# EAGLE board working (EAGLE 6.6.0) (continued)
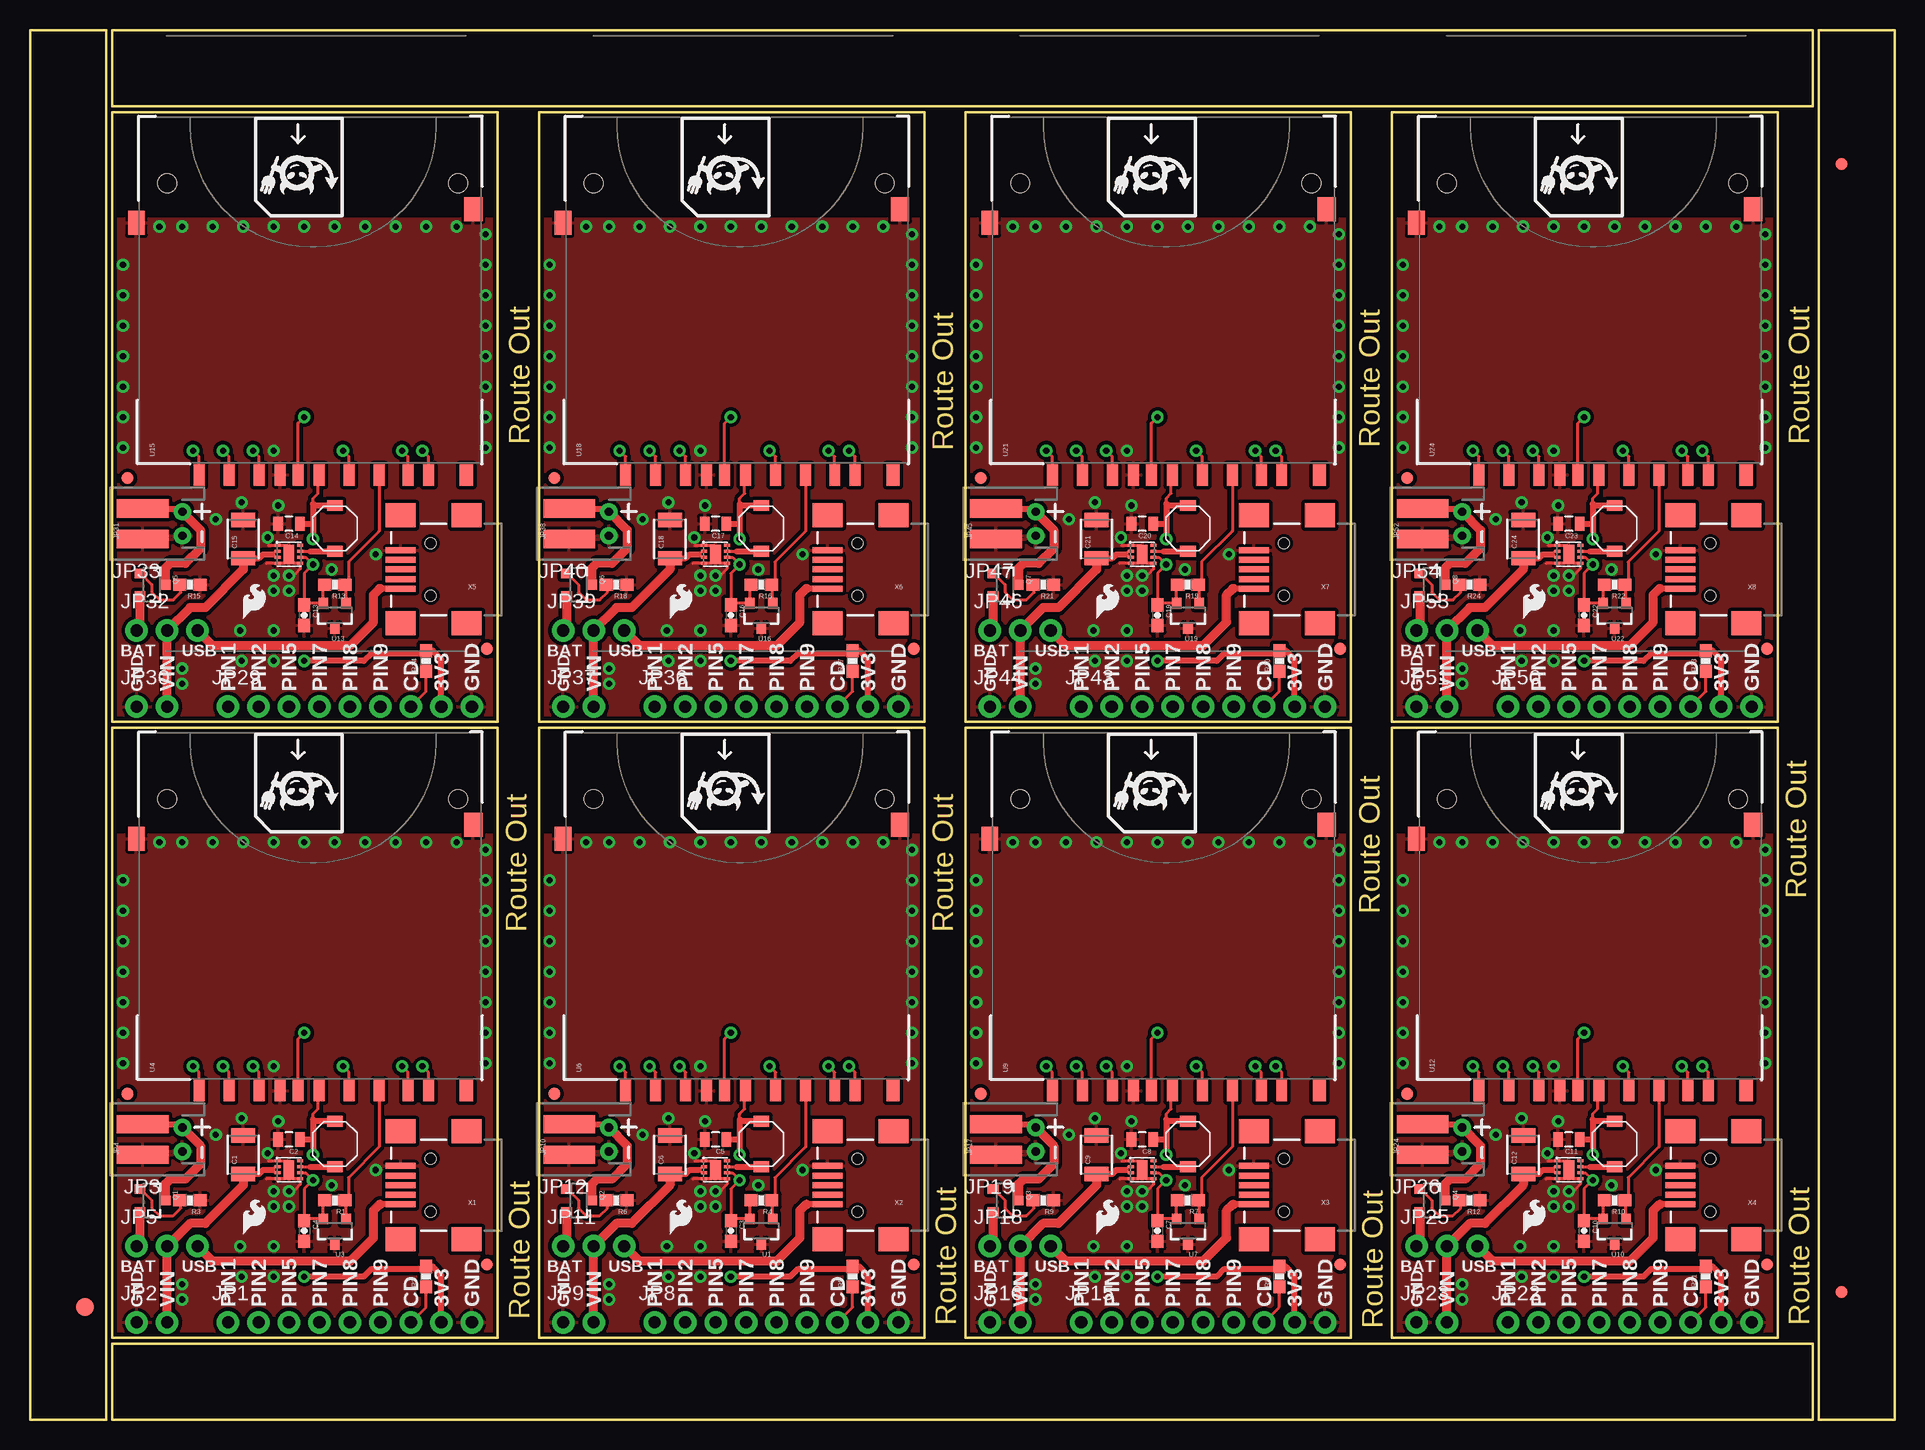
[diagram p0: board, top side]
## Tracks (layer width: path | path; a pad name or v marks a point on that pad's centre or on a via)
3.3V  (via drill 0.51)
  Top 0.254: U2.6 22.98,20.58 v23.59,19.97 22.86,19.24 C4.1 23.01,16.75 U3.2 24.45,18.19 R1.2 | 23.59,25.02 23.59,25.5 24,25.91 24,27.35 U4.4
  Top 0.508: 23.59,23.37 23.59,25.02 23.72,24.89 L1.P$2 | 23.59,23.37 v23.59,22.1 | v22.86,11.94 27.81,11.94 28.46,12.59 32.82,12.59 R2.2 33.57,12.79 34.29,12.06 JP1.8 | C2.1 23.59,23.37
  Bottom 0.508: v22.86,11.94 22.86,19.24 v23.59,19.97 v23.59,22.1
3.3V1  (via drill 0.51)
  Top 0.254: U5.6 58.54,20.58 v59.15,19.97 58.42,19.24 C3.1 58.57,16.75 U1.2 60.01,18.19 R4.2 | 59.15,25.02 59.15,25.5 59.56,25.91 59.56,27.35 U6.4
  Top 0.508: 59.15,23.37 59.15,25.02 59.28,24.89 L2.P$2 | 59.15,23.37 v59.15,22.1 | v58.42,11.94 63.37,11.94 64.02,12.59 68.38,12.59 R5.2 69.13,12.79 69.85,12.06 JP8.8 | C5.1 59.15,23.37
  Bottom 0.508: v58.42,11.94 58.42,19.24 v59.15,19.97 v59.15,22.1
3.3V2  (via drill 0.51)
  Top 0.254: U8.6 94.1,20.58 v94.71,19.97 93.98,19.24 C7.1 94.13,16.75 U7.2 95.57,18.19 R7.2 | 94.71,25.02 94.71,25.5 95.12,25.91 95.12,27.35 U9.4
  Top 0.508: 94.71,23.37 94.71,25.02 94.84,24.89 L3.P$2 | 94.71,23.37 v94.71,22.1 | v93.98,11.94 98.93,11.94 99.58,12.59 103.94,12.59 R8.2 104.69,12.79 105.41,12.06 JP15.8 | C8.1 94.71,23.37
  Bottom 0.508: v93.98,11.94 93.98,19.24 v94.71,19.97 v94.71,22.1
3.3V3  (via drill 0.51)
  Top 0.254: U11.6 129.66,20.58 v130.27,19.97 129.54,19.24 C10.1 129.69,16.75 U10.2 131.13,18.19 R10.2 | 130.27,25.02 130.27,25.5 130.68,25.91 130.68,27.35 U12.4
  Top 0.508: 130.27,23.37 130.27,25.02 130.4,24.89 L4.P$2 | 130.27,23.37 v130.27,22.1 | v129.54,11.94 134.49,11.94 135.14,12.59 139.5,12.59 R11.2 140.25,12.79 140.97,12.06 JP22.8 | C11.1 130.27,23.37
  Bottom 0.508: v129.54,11.94 129.54,19.24 v130.27,19.97 v130.27,22.1
3.3V4  (via drill 0.51)
  Top 0.254: U14.6 22.98,71.89 v23.59,71.28 22.86,70.55 C13.1 23.01,68.06 U13.2 24.45,69.5 R13.2 | 23.59,76.33 23.59,76.8 24,77.22 24,78.66 U15.4
  Top 0.508: 23.59,74.68 23.59,76.33 23.72,76.19 L5.P$2 | 23.59,74.68 v23.59,73.41 | v22.86,63.25 27.81,63.25 28.46,63.9 32.82,63.9 R14.2 33.57,64.1 34.29,63.37 JP29.8 | C14.1 23.59,74.68
  Bottom 0.508: v22.86,63.25 22.86,70.55 v23.59,71.28 v23.59,73.41
3.3V5  (via drill 0.51)
  Top 0.254: U17.6 58.54,71.89 v59.15,71.28 58.42,70.55 C16.1 58.57,68.06 U16.2 60.01,69.5 R16.2 | 59.15,76.33 59.15,76.8 59.56,77.22 59.56,78.66 U18.4
  Top 0.508: 59.15,74.68 59.15,76.33 59.28,76.19 L6.P$2 | 59.15,74.68 v59.15,73.41 | v58.42,63.25 63.37,63.25 64.02,63.9 68.38,63.9 R17.2 69.13,64.1 69.85,63.37 JP36.8 | C17.1 59.15,74.68
  Bottom 0.508: v58.42,63.25 58.42,70.55 v59.15,71.28 v59.15,73.41
3.3V6  (via drill 0.51)
  Top 0.254: U20.6 94.1,71.89 v94.71,71.28 93.98,70.55 C19.1 94.13,68.06 U19.2 95.57,69.5 R19.2 | 94.71,76.33 94.71,76.8 95.12,77.22 95.12,78.66 U21.4
  Top 0.508: 94.71,74.68 94.71,76.33 94.84,76.19 L7.P$2 | 94.71,74.68 v94.71,73.41 | v93.98,63.25 98.93,63.25 99.58,63.9 103.94,63.9 R20.2 104.69,64.1 105.41,63.37 JP43.8 | C20.1 94.71,74.68
  Bottom 0.508: v93.98,63.25 93.98,70.55 v94.71,71.28 v94.71,73.41
3.3V7  (via drill 0.51)
  Top 0.254: U23.6 129.66,71.89 v130.27,71.28 129.54,70.55 C22.1 129.69,68.06 U22.2 131.13,69.5 R22.2 | 130.27,76.33 130.27,76.8 130.68,77.22 130.68,78.66 U24.4
  Top 0.508: 130.27,74.68 130.27,76.33 130.4,76.19 L8.P$2 | 130.27,74.68 v130.27,73.41 | v129.54,63.25 134.49,63.25 135.14,63.9 139.5,63.9 R23.2 140.25,64.1 140.97,63.37 JP50.8 | C23.1 130.27,74.68
  Bottom 0.508: v129.54,63.25 129.54,70.55 v130.27,71.28 v130.27,73.41
CD  (via drill 0.51)
  Top 0.254: JP1.7 33.02,9.4 R2.1 | U4.CD 22.35,31.75 v22.86,32.26
  Bottom 0.254: v22.86,32.26 33.02,32.26 35.56,29.72 35.56,11.94 JP1.7
CD1  (via drill 0.51)
  Top 0.254: JP8.7 68.58,9.4 R5.1 | U6.CD 57.91,31.75 v58.42,32.26
  Bottom 0.254: v58.42,32.26 68.58,32.26 71.12,29.72 71.12,11.94 JP8.7
CD2  (via drill 0.51)
  Top 0.254: JP15.7 104.14,9.4 R8.1 | U9.CD 93.47,31.75 v93.98,32.26
  Bottom 0.254: v93.98,32.26 104.14,32.26 106.68,29.72 106.68,11.94 JP15.7
CD3  (via drill 0.51)
  Top 0.254: JP22.7 139.7,9.4 R11.1 | U12.CD 129.03,31.75 v129.54,32.26
  Bottom 0.254: v129.54,32.26 139.7,32.26 142.24,29.72 142.24,11.94 JP22.7
CD4  (via drill 0.51)
  Top 0.254: JP29.7 33.02,60.71 R14.1 | U15.CD 22.35,83.05 v22.86,83.57
  Bottom 0.254: v22.86,83.57 33.02,83.57 35.56,81.03 35.56,63.25 JP29.7
CD5  (via drill 0.51)
  Top 0.254: JP36.7 68.58,60.71 R17.1 | U18.CD 57.91,83.05 v58.42,83.57
  Bottom 0.254: v58.42,83.57 68.58,83.57 71.12,81.03 71.12,63.25 JP36.7
CD6  (via drill 0.51)
  Top 0.254: JP43.7 104.14,60.71 R20.1 | U21.CD 93.47,83.05 v93.98,83.57
  Bottom 0.254: v93.98,83.57 104.14,83.57 106.68,81.03 106.68,63.25 JP43.7
CD7  (via drill 0.51)
  Top 0.254: JP50.7 139.7,60.71 R23.1 | U24.CD 129.03,83.05 v129.54,83.57
  Bottom 0.254: v129.54,83.57 139.7,83.57 142.24,81.03 142.24,63.25 JP50.7
GND  (via drill 0.51)
  Top 0.254: 19.87,21.58 U2.1 | 20.69,21.58 U2.1 | U2.5 22.54,19.62 22.1,19.18 | 19.7,20.08 U2.4 U2.5 | U2.1 21.45,21.58
  other vias: 37.97,47.5 37.97,44.96 37.97,42.42 37.97,39.88 37.97,37.34 37.97,34.8 37.97,32.26 37.97,29.72 7.75,29.72 7.75,32.26 7.75,34.8 7.75,37.34 7.75,39.88 7.75,42.42 7.75,44.96 10.79,48.13 12.7,48.13 15.24,48.13 17.78,48.13 20.32,48.13 22.86,48.13 25.4,48.13 27.94,48.13 30.48,48.13 33.02,48.13 35.56,48.13 21.59,19.05 20.32,19.05 20.7,24.89 17.65,25.15 15.49,23.75 12.7,10.03 20.32,29.46 28.83,20.83 20.32,14.48 20.32,11.94 17.65,11.94 17.53,14.48 19.81,22.23 12.7,11.3 21.59,17.78 25.15,19.56 20.32,17.78
  pour Top (isolate 0.305, rank 6): 6.86,6.86 6.86,48.77 38.99,48.77 38.99,6.86
  pour Bottom (isolate 0.305, rank 6): 6.86,6.86 6.86,48.77 38.99,48.77 38.99,6.86
GND1  (via drill 0.51)
  Top 0.254: 55.43,21.58 U5.1 | 56.25,21.58 U5.1 | U5.5 58.1,19.62 57.66,19.18 | 55.26,20.08 U5.4 U5.5 | U5.1 57.01,21.58
  other vias: 73.53,47.5 73.53,44.96 73.53,42.42 73.53,39.88 73.53,37.34 73.53,34.8 73.53,32.26 73.53,29.72 43.31,29.72 43.31,32.26 43.31,34.8 43.31,37.34 43.31,39.88 43.31,42.42 43.31,44.96 46.35,48.13 48.26,48.13 50.8,48.13 53.34,48.13 55.88,48.13 58.42,48.13 60.96,48.13 63.5,48.13 66.04,48.13 68.58,48.13 71.12,48.13 57.15,19.05 55.88,19.05 56.26,24.89 53.21,25.15 51.05,23.75 48.26,10.03 55.88,29.46 64.39,20.83 55.88,14.48 55.88,11.94 53.21,11.94 53.09,14.48 55.37,22.23 48.26,11.3 57.15,17.78 60.71,19.56 55.88,17.78
  pour Top (isolate 0.305, rank 6): 42.42,6.86 42.42,48.77 74.55,48.77 74.55,6.86
  pour Bottom (isolate 0.305, rank 6): 42.42,6.86 42.42,48.77 74.55,48.77 74.55,6.86
GND2  (via drill 0.51)
  Top 0.254: 90.99,21.58 U8.1 | 91.81,21.58 U8.1 | U8.5 93.66,19.62 93.22,19.18 | 90.82,20.08 U8.4 U8.5 | U8.1 92.57,21.58
  other vias: 109.09,47.5 109.09,44.96 109.09,42.42 109.09,39.88 109.09,37.34 109.09,34.8 109.09,32.26 109.09,29.72 78.87,29.72 78.87,32.26 78.87,34.8 78.87,37.34 78.87,39.88 78.87,42.42 78.87,44.96 81.92,48.13 83.82,48.13 86.36,48.13 88.9,48.13 91.44,48.13 93.98,48.13 96.52,48.13 99.06,48.13 101.6,48.13 104.14,48.13 106.68,48.13 92.71,19.05 91.44,19.05 91.82,24.89 88.77,25.15 86.61,23.75 83.82,10.03 91.44,29.46 99.95,20.83 91.44,14.48 91.44,11.94 88.77,11.94 88.65,14.48 90.93,22.23 83.82,11.3 92.71,17.78 96.27,19.56 91.44,17.78
  pour Top (isolate 0.305, rank 6): 77.98,6.86 77.98,48.77 110.11,48.77 110.11,6.86
  pour Bottom (isolate 0.305, rank 6): 77.98,6.86 77.98,48.77 110.11,48.77 110.11,6.86
GND3  (via drill 0.51)
  Top 0.254: 126.55,21.58 U11.1 | 127.37,21.58 U11.1 | U11.5 129.22,19.62 128.78,19.18 | 126.38,20.08 U11.4 U11.5 | U11.1 128.13,21.58
  other vias: 144.65,47.5 144.65,44.96 144.65,42.42 144.65,39.88 144.65,37.34 144.65,34.8 144.65,32.26 144.65,29.72 114.43,29.72 114.43,32.26 114.43,34.8 114.43,37.34 114.43,39.88 114.43,42.42 114.43,44.96 117.47,48.13 119.38,48.13 121.92,48.13 124.46,48.13 127,48.13 129.54,48.13 132.08,48.13 134.62,48.13 137.16,48.13 139.7,48.13 142.24,48.13 128.27,19.05 127,19.05 127.38,24.89 124.33,25.15 122.17,23.75 119.38,10.03 127,29.46 135.51,20.83 127,14.48 127,11.94 124.33,11.94 124.21,14.48 126.49,22.23 119.38,11.3 128.27,17.78 131.83,19.56 127,17.78
  pour Top (isolate 0.305, rank 6): 113.54,6.86 113.54,48.77 145.67,48.77 145.67,6.86
  pour Bottom (isolate 0.305, rank 6): 113.54,6.86 113.54,48.77 145.67,48.77 145.67,6.86
GND4  (via drill 0.51)
  Top 0.254: 19.87,72.89 U14.1 | 20.69,72.89 U14.1 | U14.5 22.54,70.93 22.1,70.48 | 19.7,71.39 U14.4 U14.5 | U14.1 21.45,72.89
  other vias: 37.97,98.81 37.97,96.27 37.97,93.73 37.97,91.19 37.97,88.65 37.97,86.11 37.97,83.57 37.97,81.03 7.75,81.03 7.75,83.57 7.75,86.11 7.75,88.65 7.75,91.19 7.75,93.73 7.75,96.27 10.79,99.44 12.7,99.44 15.24,99.44 17.78,99.44 20.32,99.44 22.86,99.44 25.4,99.44 27.94,99.44 30.48,99.44 33.02,99.44 35.56,99.44 21.59,70.36 20.32,70.36 20.7,76.2 17.65,76.45 15.49,75.06 12.7,61.34 20.32,80.77 28.83,72.14 20.32,65.79 20.32,63.25 17.65,63.25 17.53,65.79 19.81,73.53 12.7,62.61 21.59,69.09 25.15,70.87 20.32,69.09
  pour Top (isolate 0.305, rank 6): 6.86,58.17 6.86,100.08 38.99,100.08 38.99,58.17
  pour Bottom (isolate 0.305, rank 6): 6.86,58.17 6.86,100.08 38.99,100.08 38.99,58.17
GND5  (via drill 0.51)
  Top 0.254: 55.43,72.89 U17.1 | 56.25,72.89 U17.1 | U17.5 58.1,70.93 57.66,70.48 | 55.26,71.39 U17.4 U17.5 | U17.1 57.01,72.89
  other vias: 73.53,98.81 73.53,96.27 73.53,93.73 73.53,91.19 73.53,88.65 73.53,86.11 73.53,83.57 73.53,81.03 43.31,81.03 43.31,83.57 43.31,86.11 43.31,88.65 43.31,91.19 43.31,93.73 43.31,96.27 46.35,99.44 48.26,99.44 50.8,99.44 53.34,99.44 55.88,99.44 58.42,99.44 60.96,99.44 63.5,99.44 66.04,99.44 68.58,99.44 71.12,99.44 57.15,70.36 55.88,70.36 56.26,76.2 53.21,76.45 51.05,75.06 48.26,61.34 55.88,80.77 64.39,72.14 55.88,65.79 55.88,63.25 53.21,63.25 53.09,65.79 55.37,73.53 48.26,62.61 57.15,69.09 60.71,70.87 55.88,69.09
  pour Top (isolate 0.305, rank 6): 42.42,58.17 42.42,100.08 74.55,100.08 74.55,58.17
  pour Bottom (isolate 0.305, rank 6): 42.42,58.17 42.42,100.08 74.55,100.08 74.55,58.17
GND6  (via drill 0.51)
  Top 0.254: 90.99,72.89 U20.1 | 91.81,72.89 U20.1 | U20.5 93.66,70.93 93.22,70.48 | 90.82,71.39 U20.4 U20.5 | U20.1 92.57,72.89
  other vias: 109.09,98.81 109.09,96.27 109.09,93.73 109.09,91.19 109.09,88.65 109.09,86.11 109.09,83.57 109.09,81.03 78.87,81.03 78.87,83.57 78.87,86.11 78.87,88.65 78.87,91.19 78.87,93.73 78.87,96.27 81.92,99.44 83.82,99.44 86.36,99.44 88.9,99.44 91.44,99.44 93.98,99.44 96.52,99.44 99.06,99.44 101.6,99.44 104.14,99.44 106.68,99.44 92.71,70.36 91.44,70.36 91.82,76.2 88.77,76.45 86.61,75.06 83.82,61.34 91.44,80.77 99.95,72.14 91.44,65.79 91.44,63.25 88.77,63.25 88.65,65.79 90.93,73.53 83.82,62.61 92.71,69.09 96.27,70.87 91.44,69.09
  pour Top (isolate 0.305, rank 6): 77.98,58.17 77.98,100.08 110.11,100.08 110.11,58.17
  pour Bottom (isolate 0.305, rank 6): 77.98,58.17 77.98,100.08 110.11,100.08 110.11,58.17
GND7  (via drill 0.51)
  Top 0.254: 126.55,72.89 U23.1 | 127.37,72.89 U23.1 | U23.5 129.22,70.93 128.78,70.48 | 126.38,71.39 U23.4 U23.5 | U23.1 128.13,72.89
  other vias: 144.65,98.81 144.65,96.27 144.65,93.73 144.65,91.19 144.65,88.65 144.65,86.11 144.65,83.57 144.65,81.03 114.43,81.03 114.43,83.57 114.43,86.11 114.43,88.65 114.43,91.19 114.43,93.73 114.43,96.27 117.47,99.44 119.38,99.44 121.92,99.44 124.46,99.44 127,99.44 129.54,99.44 132.08,99.44 134.62,99.44 137.16,99.44 139.7,99.44 142.24,99.44 128.27,70.36 127,70.36 127.38,76.2 124.33,76.45 122.17,75.06 119.38,61.34 127,80.77 135.51,72.14 127,65.79 127,63.25 124.33,63.25 124.21,65.79 126.49,73.53 119.38,62.61 128.27,69.09 131.83,70.87 127,69.09
  pour Top (isolate 0.305, rank 6): 113.54,58.17 113.54,100.08 145.67,100.08 145.67,58.17
  pour Bottom (isolate 0.305, rank 6): 113.54,58.17 113.54,100.08 145.67,100.08 145.67,58.17
ID
  Top 0.254: U3.1 26.35,18.19 R1.1 26.54,18.58 26.54,20.19 29.1,22.75 U4.6
ID1
  Top 0.254: U1.1 61.91,18.19 R4.1 62.1,18.58 62.1,20.19 64.66,22.75 U6.6
ID2
  Top 0.254: U7.1 97.47,18.19 R7.1 97.66,18.58 97.66,20.19 100.22,22.75 U9.6
ID3
  Top 0.254: U10.1 133.03,18.19 R10.1 133.22,18.58 133.22,20.19 135.78,22.75 U12.6
ID4
  Top 0.254: U13.1 26.35,69.5 R13.1 26.54,69.89 26.54,71.5 29.1,74.06 U15.6
ID5
  Top 0.254: U16.1 61.91,69.5 R16.1 62.1,69.89 62.1,71.5 64.66,74.06 U18.6
ID6
  Top 0.254: U19.1 97.47,69.5 R19.1 97.66,69.89 97.66,71.5 100.22,74.06 U21.6
ID7
  Top 0.254: U22.1 133.03,69.5 R22.1 133.22,69.89 133.22,71.5 135.78,74.06 U24.6
N$1
  Top 0.254: U2.7 23.36,21.08
  Top 0.508: 23.36,21.08 25.39,21.08 L1.P$1
N$2
  Top 0.254: Q1.1 9.21,19.24 10.16,18.29 10.16,17.65 10.79,17.02 11.94,17.02 12.57,17.65 12.57,18.2 R3.2
N$3
  Top 0.254: U5.7 58.92,21.08
  Top 0.508: 58.92,21.08 60.95,21.08 L2.P$1
N$4
  Top 0.762: Q2.2 44.72,14.75 JP11.1
N$5
  Top 0.254: Q2.1 44.77,19.24 45.72,18.29 45.72,17.65 46.35,17.02 47.5,17.02 48.13,17.65 48.13,18.2 R6.2
N$6
  Top 0.762: Q1.2 9.16,14.75 JP5.1
N$7
  Top 0.254: U8.7 94.48,21.08
  Top 0.508: 94.48,21.08 96.51,21.08 L3.P$1
N$8
  Top 0.762: Q3.2 80.28,14.75 JP18.1
N$9
  Top 0.254: Q3.1 80.33,19.24 81.28,18.29 81.28,17.65 81.92,17.02 83.06,17.02 83.69,17.65 83.69,18.2 R9.2
N$10
  Top 0.254: U11.7 130.04,21.08
  Top 0.508: 130.04,21.08 132.07,21.08 L4.P$1
N$11
  Top 0.762: Q4.2 115.84,14.75 JP25.1
N$12
  Top 0.254: Q4.1 115.89,19.24 116.84,18.29 116.84,17.65 117.47,17.02 118.62,17.02 119.25,17.65 119.25,18.2 R12.2
N$13
  Top 0.254: U14.7 23.36,72.39
  Top 0.508: 23.36,72.39 L5.P$1
N$14
  Top 0.762: Q5.2 9.16,66.06 JP32.1
N$15
  Top 0.254: Q5.1 9.21,70.55 10.16,69.6 10.16,68.96 10.79,68.33 11.94,68.33 12.57,68.96 12.57,69.51 R15.2
N$16
  Top 0.254: U17.7 58.92,72.39
  Top 0.508: 58.92,72.39 L6.P$1
N$17
  Top 0.762: Q6.2 44.72,66.06 JP39.1
N$18
  Top 0.254: Q6.1 44.77,70.55 45.72,69.6 45.72,68.96 46.35,68.33 47.5,68.33 48.13,68.96 48.13,69.51 R18.2
N$19
  Top 0.254: U20.7 94.48,72.39
  Top 0.508: 94.48,72.39 L7.P$1
N$20
  Top 0.762: Q7.2 80.28,66.06 JP46.1
N$21
  Top 0.254: Q7.1 80.33,70.55 81.28,69.6 81.28,68.96 81.92,68.33 83.06,68.33 83.69,68.96 83.69,69.51 R21.2
N$22
  Top 0.254: U23.7 130.04,72.39
  Top 0.508: 130.04,72.39 L8.P$1
N$23
  Top 0.762: Q8.2 115.84,66.06 JP53.1
N$24
  Top 0.254: Q8.1 115.89,70.55 116.84,69.6 116.84,68.96 117.47,68.33 118.62,68.33 119.25,68.96 119.25,69.51 R24.2
PIN1  (via drill 0.51)
  Top 0.254: U4.1 16.6,28.96 v16.09,29.46
  Bottom 0.254: v16.09,29.46 16.51,29.04 JP1.1
PIN2  (via drill 0.51)
  Top 0.254: U4.2 19.1,28.96 v18.59,29.46
  Bottom 0.254: v18.59,29.46 18.59,8.59 JP1.2
PIN3  (via drill 0.51)
  Top 0.254: U6.1 52.16,28.96 v51.65,29.46
  Bottom 0.254: v51.65,29.46 52.07,29.04 JP8.1
PIN4  (via drill 0.51)
  Top 0.254: U6.2 54.66,28.96 v54.15,29.46
  Bottom 0.254: v54.15,29.46 54.15,8.59 JP8.2
PIN5  (via drill 0.51)
  Top 0.254: U4.5 26.6,28.96 v26.09,29.46
  Bottom 0.254: v26.09,29.46 27.94,27.61 27.94,14.48 JP1.3
PIN6  (via drill 0.51)
  Top 0.254: U6.5 62.16,28.96 v61.65,29.46
  Bottom 0.254: v61.65,29.46 63.5,27.61 63.5,14.48 JP8.3
PIN7  (via drill 0.51)
  Top 0.254: U4.7 31.52,28.96 v31.01,29.46
  Bottom 0.254: v31.01,29.46 29.97,28.43 29.97,13.97 JP1.4
PIN8  (via drill 0.51)
  Top 0.254: U4.8 33.22,28.96 v32.71,29.46
  Bottom 0.254: 32.71,29.41 v32.71,29.46 32.71,23.18 32.26,22.73 32.26,13.72 JP1.5
PIN9  (via drill 0.51)
  Top 0.254: U4.9 14.1,28.96 v13.59,29.46
  Bottom 0.254: v13.59,29.46 15.11,30.99 33.02,30.99 34.29,29.72 34.29,13.21 JP1.6
PIN10  (via drill 0.51)
  Top 0.254: U6.7 67.08,28.96 v66.57,29.46
  Bottom 0.254: v66.57,29.46 65.53,28.43 65.53,13.97 JP8.4
PIN11  (via drill 0.51)
  Top 0.254: U6.8 68.78,28.96 v68.27,29.46
  Bottom 0.254: 68.27,29.41 v68.27,29.46 68.27,23.18 67.82,22.73 67.82,13.72 JP8.5
PIN12  (via drill 0.51)
  Top 0.254: U6.9 49.66,28.96 v49.15,29.46
  Bottom 0.254: v49.15,29.46 50.67,30.99 68.58,30.99 69.85,29.72 69.85,13.21 JP8.6
PIN13  (via drill 0.51)
  Top 0.254: U9.1 87.72,28.96 v87.21,29.46
  Bottom 0.254: v87.21,29.46 87.63,29.04 JP15.1
PIN14  (via drill 0.51)
  Top 0.254: U9.2 90.22,28.96 v89.71,29.46
  Bottom 0.254: v89.71,29.46 89.71,8.59 JP15.2
PIN15  (via drill 0.51)
  Top 0.254: U9.5 97.72,28.96 v97.21,29.46
  Bottom 0.254: v97.21,29.46 99.06,27.61 99.06,14.48 JP15.3
PIN16  (via drill 0.51)
  Top 0.254: U9.7 102.64,28.96 v102.13,29.46
  Bottom 0.254: v102.13,29.46 101.09,28.43 101.09,13.97 JP15.4
PIN17  (via drill 0.51)
  Top 0.254: U9.8 104.34,28.96 v103.83,29.46
  Bottom 0.254: 103.83,29.41 v103.83,29.46 103.83,23.18 103.38,22.73 103.38,13.72 JP15.5
PIN18  (via drill 0.51)
  Top 0.254: U9.9 85.22,28.96 v84.71,29.46
  Bottom 0.254: v84.71,29.46 86.23,30.99 104.14,30.99 105.41,29.72 105.41,13.21 JP15.6
PIN19  (via drill 0.51)
  Top 0.254: U12.1 123.28,28.96 v122.77,29.46
  Bottom 0.254: v122.77,29.46 123.19,29.04 JP22.1
PIN20  (via drill 0.51)
  Top 0.254: U12.2 125.78,28.96 v125.27,29.46
  Bottom 0.254: v125.27,29.46 125.27,8.59 JP22.2
PIN21  (via drill 0.51)
  Top 0.254: U12.5 133.28,28.96 v132.77,29.46
  Bottom 0.254: v132.77,29.46 134.62,27.61 134.62,14.48 JP22.3
PIN22  (via drill 0.51)
  Top 0.254: U12.7 138.2,28.96 v137.69,29.46
  Bottom 0.254: v137.69,29.46 136.65,28.43 136.65,13.97 JP22.4
PIN23  (via drill 0.51)
  Top 0.254: U12.8 139.9,28.96 v139.39,29.46
  Bottom 0.254: 139.39,29.41 v139.39,29.46 139.39,23.18 138.94,22.73 138.94,13.72 JP22.5
PIN24  (via drill 0.51)
  Top 0.254: U12.9 120.78,28.96 v120.27,29.46
  Bottom 0.254: v120.27,29.46 121.79,30.99 139.7,30.99 140.97,29.72 140.97,13.21 JP22.6
PIN25  (via drill 0.51)
  Top 0.254: U15.1 16.6,80.26 v16.09,80.77
  Bottom 0.254: v16.09,80.77 16.51,80.35 JP29.1
PIN26  (via drill 0.51)
  Top 0.254: U15.2 19.1,80.26 v18.59,80.77
  Bottom 0.254: v18.59,80.77 18.59,59.9 JP29.2
PIN27  (via drill 0.51)
  Top 0.254: U15.5 26.6,80.26 v26.09,80.77
  Bottom 0.254: v26.09,80.77 27.94,78.92 27.94,65.79 JP29.3
PIN28  (via drill 0.51)
  Top 0.254: U15.7 31.52,80.26 v31.01,80.77
  Bottom 0.254: v31.01,80.77 29.97,79.73 29.97,65.28 JP29.4
PIN29  (via drill 0.51)
  Top 0.254: U15.8 33.22,80.26 v32.71,80.77
  Bottom 0.254: 32.71,80.72 v32.71,80.77 32.71,74.49 32.26,74.04 32.26,65.02 JP29.5
PIN30  (via drill 0.51)
  Top 0.254: U15.9 14.1,80.26 v13.59,80.77
  Bottom 0.254: v13.59,80.77 15.11,82.3 33.02,82.3 34.29,81.03 34.29,64.52 JP29.6
PIN31  (via drill 0.51)
  Top 0.254: U18.1 52.16,80.26 v51.65,80.77
  Bottom 0.254: v51.65,80.77 52.07,80.35 JP36.1
PIN32  (via drill 0.51)
  Top 0.254: U18.2 54.66,80.26 v54.15,80.77
  Bottom 0.254: v54.15,80.77 54.15,59.9 JP36.2
PIN33  (via drill 0.51)
  Top 0.254: U18.5 62.16,80.26 v61.65,80.77
  Bottom 0.254: v61.65,80.77 63.5,78.92 63.5,65.79 JP36.3
PIN34  (via drill 0.51)
  Top 0.254: U18.7 67.08,80.26 v66.57,80.77
  Bottom 0.254: v66.57,80.77 65.53,79.73 65.53,65.28 JP36.4
PIN35  (via drill 0.51)
  Top 0.254: U18.8 68.78,80.26 v68.27,80.77
  Bottom 0.254: 68.27,80.72 v68.27,80.77 68.27,74.49 67.82,74.04 67.82,65.02 JP36.5
PIN36  (via drill 0.51)
  Top 0.254: U18.9 49.66,80.26 v49.15,80.77
  Bottom 0.254: v49.15,80.77 50.67,82.3 68.58,82.3 69.85,81.03 69.85,64.52 JP36.6
PIN37  (via drill 0.51)
  Top 0.254: U21.1 87.72,80.26 v87.21,80.77
  Bottom 0.254: v87.21,80.77 87.63,80.35 JP43.1
PIN38  (via drill 0.51)
  Top 0.254: U21.2 90.22,80.26 v89.71,80.77
  Bottom 0.254: v89.71,80.77 89.71,59.9 JP43.2
PIN39  (via drill 0.51)
  Top 0.254: U21.5 97.72,80.26 v97.21,80.77
  Bottom 0.254: v97.21,80.77 99.06,78.92 99.06,65.79 JP43.3
PIN40  (via drill 0.51)
  Top 0.254: U21.7 102.64,80.26 v102.13,80.77
  Bottom 0.254: v102.13,80.77 101.09,79.73 101.09,65.28 JP43.4
PIN41  (via drill 0.51)
  Top 0.254: U21.8 104.34,80.26 v103.83,80.77
  Bottom 0.254: 103.83,80.72 v103.83,80.77 103.83,74.49 103.38,74.04 103.38,65.02 JP43.5
PIN42  (via drill 0.51)
  Top 0.254: U21.9 85.22,80.26 v84.71,80.77
  Bottom 0.254: v84.71,80.77 86.23,82.3 104.14,82.3 105.41,81.03 105.41,64.52 JP43.6
PIN43  (via drill 0.51)
  Top 0.254: U24.1 123.28,80.26 v122.77,80.77
  Bottom 0.254: v122.77,80.77 123.19,80.35 JP50.1
PIN44  (via drill 0.51)
  Top 0.254: U24.2 125.78,80.26 v125.27,80.77
  Bottom 0.254: v125.27,80.77 125.27,59.9 JP50.2
PIN45  (via drill 0.51)
  Top 0.254: U24.5 133.28,80.26 v132.77,80.77
  Bottom 0.254: v132.77,80.77 134.62,78.92 134.62,65.79 JP50.3
PIN46  (via drill 0.51)
  Top 0.254: U24.7 138.2,80.26 v137.69,80.77
  Bottom 0.254: v137.69,80.77 136.65,79.73 136.65,65.28 JP50.4
PIN47  (via drill 0.51)
  Top 0.254: U24.8 139.9,80.26 v139.39,80.77
  Bottom 0.254: 139.39,80.72 v139.39,80.77 139.39,74.49 138.94,74.04 138.94,65.02 JP50.5
PIN48  (via drill 0.51)
  Top 0.254: U24.9 120.78,80.26 v120.27,80.77
  Bottom 0.254: v120.27,80.77 121.79,82.3 139.7,82.3 140.97,81.03 140.97,64.52 JP50.6
VBAT
  Top 0.508: JP3.2 12.45,24.64 12.72,24.37 JP4.2
  Top 0.762: JP4.2 14.22,22.84 14.22,21.34 12.95,20.07 11.68,20.07 11.26,19.64 Q1.3
VBAT1
  Top 0.508: JP12.2 48.01,24.64 48.28,24.37 JP10.2
  Top 0.762: JP10.2 49.78,22.84 49.78,21.34 48.51,20.07 47.24,20.07 46.82,19.64 Q2.3
VBAT2
  Top 0.508: JP19.2 83.57,24.64 83.84,24.37 JP17.2
  Top 0.762: JP17.2 85.34,22.84 85.34,21.34 84.07,20.07 82.8,20.07 82.38,19.64 Q3.3
VBAT3
  Top 0.508: JP26.2 119.13,24.64 119.4,24.37 JP24.2
  Top 0.762: JP24.2 120.9,22.84 120.9,21.34 119.63,20.07 118.36,20.07 117.94,19.64 Q4.3
VBAT4
  Top 0.508: JP33.2 12.45,75.95 12.72,75.68 JP31.2
  Top 0.762: JP31.2 14.22,74.15 14.22,72.64 12.95,71.37 11.68,71.37 11.26,70.95 Q5.3
VBAT5
  Top 0.508: JP40.2 48.01,75.95 48.28,75.68 JP38.2
  Top 0.762: JP38.2 49.78,74.15 49.78,72.64 48.51,71.37 47.24,71.37 46.82,70.95 Q6.3
VBAT6
  Top 0.508: JP47.2 83.57,75.95 83.84,75.68 JP45.2
  Top 0.762: JP45.2 85.34,74.15 85.34,72.64 84.07,71.37 82.8,71.37 82.38,70.95 Q7.3
VBAT7
  Top 0.508: JP54.2 119.13,75.95 119.4,75.68 JP52.2
  Top 0.762: JP52.2 120.9,74.15 120.9,72.64 119.63,71.37 118.36,71.37 117.94,70.95 Q8.3
VIN
  Top 0.254: U2.3 20.44,20.58 20.19,20.83 20.44,21.08 U2.2
  Top 0.508: C1.1 19.1,20.5 19.43,20.83 20.19,20.83
  Top 0.762: C1.1 17.78,19.56 14.61,16.38 13.34,16.38 JP5.2 JP2.2
VIN1
  Top 0.254: U5.3 56,20.58 55.75,20.83 56,21.08 U5.2
  Top 0.508: C6.1 54.66,20.5 54.99,20.83 55.75,20.83
  Top 0.762: C6.1 53.34,19.56 50.16,16.38 48.9,16.38 JP11.2 JP9.2
VIN2
  Top 0.254: U8.3 91.56,20.58 91.31,20.83 91.56,21.08 U8.2
  Top 0.508: C9.1 90.22,20.5 90.55,20.83 91.31,20.83
  Top 0.762: C9.1 88.9,19.56 85.72,16.38 84.45,16.38 JP18.2 JP16.2
VIN3
  Top 0.254: U11.3 127.12,20.58 126.87,20.83 127.12,21.08 U11.2
  Top 0.508: C12.1 125.78,20.5 126.11,20.83 126.87,20.83
  Top 0.762: C12.1 124.46,19.56 121.28,16.38 120.02,16.38 JP25.2 JP23.2
VIN4
  Top 0.254: U14.3 20.44,71.89 20.19,72.14 20.44,72.39 U14.2
  Top 0.508: C15.1 19.1,71.81 19.43,72.14 20.19,72.14
  Top 0.762: C15.1 17.78,70.87 14.61,67.69 13.34,67.69 JP32.2 JP30.2
VIN5
  Top 0.254: U17.3 56,71.89 55.75,72.14 56,72.39 U17.2
  Top 0.508: C18.1 54.66,71.81 54.99,72.14 55.75,72.14
  Top 0.762: C18.1 53.34,70.87 50.16,67.69 48.9,67.69 JP39.2 JP37.2
VIN6
  Top 0.254: U20.3 91.56,71.89 91.31,72.14 91.56,72.39 U20.2
  Top 0.508: C21.1 90.22,71.81 90.55,72.14 91.31,72.14
  Top 0.762: C21.1 88.9,70.87 85.72,67.69 84.45,67.69 JP46.2 JP44.2
VIN7
  Top 0.254: U23.3 127.12,71.89 126.87,72.14 127.12,72.39 U23.2
  Top 0.508: C24.1 125.78,71.81 126.11,72.14 126.87,72.14
  Top 0.762: C24.1 124.46,70.87 121.28,67.69 120.02,67.69 JP53.2 JP51.2
VUSB
  Top 0.508: X1.VBUS 29.21,17.96
  Top 0.762: JP5.3 15.24,13.21 26.67,13.21 28.63,15.16 28.63,17.45 29.13,17.96 29.21,17.96
VUSB1
  Top 0.508: X2.VBUS 64.77,17.96
  Top 0.762: JP11.3 50.8,13.21 62.23,13.21 64.19,15.16 64.19,17.45 64.69,17.96 64.77,17.96
VUSB2
  Top 0.508: X3.VBUS 100.33,17.96
  Top 0.762: JP18.3 86.36,13.21 97.79,13.21 99.75,15.16 99.75,17.45 100.25,17.96 100.33,17.96
VUSB3
  Top 0.508: X4.VBUS 135.89,17.96
  Top 0.762: JP25.3 121.92,13.21 133.35,13.21 135.31,15.16 135.31,17.45 135.81,17.96 135.89,17.96
VUSB4
  Top 0.508: X5.VBUS 29.21,69.27
  Top 0.762: JP32.3 15.24,64.52 26.67,64.52 28.63,66.47 28.63,68.76 29.13,69.27 29.21,69.27
VUSB5
  Top 0.508: X6.VBUS 64.77,69.27
  Top 0.762: JP39.3 50.8,64.52 62.23,64.52 64.19,66.47 64.19,68.76 64.69,69.27 64.77,69.27
VUSB6
  Top 0.508: X7.VBUS 100.33,69.27
  Top 0.762: JP46.3 86.36,64.52 97.79,64.52 99.75,66.47 99.75,68.76 100.25,69.27 100.33,69.27
VUSB7
  Top 0.508: X8.VBUS 135.89,69.27
  Top 0.762: JP53.3 121.92,64.52 133.35,64.52 135.31,66.47 135.31,68.76 135.81,69.27 135.89,69.27

## Text on the board
Bottom: v12 | v12 | v12 | v12 | v12 | v12 | v12 | v12
Dimension: Route Out | Route Out | Route Out | Route Out | Route Out | Route Out | Route Out | Route Out | Route Out | Route Out | Route Out | Route Out
tPlace: BAT | USB | BAT | USB | BAT | USB | BAT | USB | GND | VIN | PIN1 | PIN2 | PIN5 | PIN7 | PIN8 | PIN9 | CD | 3V3 | GND | GND | VIN | PIN1 | PIN2 | PIN5 | PIN7 | PIN8 | PIN9 | CD | 3V3 | GND | GND | VIN | PIN1 | PIN2 | PIN5 | PIN7 | PIN8 | PIN9 | CD | 3V3 | GND | GND | VIN | PIN1 | PIN2 | PIN5 | PIN7 | PIN8 | PIN9 | CD | 3V3 | GND | BAT | USB | BAT | USB | BAT | USB | BAT | USB | GND | VIN | PIN1 | PIN2 | PIN5 | PIN7 | PIN8 | PIN9 | CD | 3V3 | GND | GND | VIN | PIN1 | PIN2 | PIN5 | PIN7 | PIN8 | PIN9 | CD | 3V3 | GND | GND | VIN | PIN1 | PIN2 | PIN5 | PIN7 | PIN8 | PIN9 | CD | 3V3 | GND | GND | VIN | PIN1 | PIN2 | PIN5 | PIN7 | PIN8 | PIN9 | CD | 3V3 | GND
bPlace: imp Breakout | imp Breakout | imp Breakout | imp Breakout | GND | VIN | PIN1 | PIN2 | PIN5 | PIN7 | PIN8 | PIN9 | CD | 3V3 | GND | GND | VIN | PIN1 | PIN2 | PIN5 | PIN7 | PIN8 | PIN9 | CD | 3V3 | GND | GND | VIN | PIN1 | PIN2 | PIN5 | PIN7 | PIN8 | PIN9 | CD | 3V3 | GND | GND | VIN | PIN1 | PIN2 | PIN5 | PIN7 | PIN8 | PIN9 | CD | 3V3 | GND | imp Breakout | imp Breakout | imp Breakout | imp Breakout | GND | VIN | PIN1 | PIN2 | PIN5 | PIN7 | PIN8 | PIN9 | CD | 3V3 | GND | GND | VIN | PIN1 | PIN2 | PIN5 | PIN7 | PIN8 | PIN9 | CD | 3V3 | GND | GND | VIN | PIN1 | PIN2 | PIN5 | PIN7 | PIN8 | PIN9 | CD | 3V3 | GND | GND | VIN | PIN1 | PIN2 | PIN5 | PIN7 | PIN8 | PIN9 | CD | 3V3 | GND
203bmp: //kentro/work/Eagle/Projects/SandBox/Jim/Electric Imp/built-for-imp16.bmp | //kentro/work/Eagle/Projects/SandBox/Jim/Electric Imp/built-for-imp16.bmp | //kentro/work/Eagle/Projects/SandBox/Jim/Electric Imp/built-for-imp16.bmp | //kentro/work/Eagle/Projects/SandBox/Jim/Electric Imp/built-for-imp16.bmp | //kentro/work/Eagle/Projects/SandBox/Jim/Electric Imp/built-for-imp16.bmp | //kentro/work/Eagle/Projects/SandBox/Jim/Electric Imp/built-for-imp16.bmp | //kentro/work/Eagle/Projects/SandBox/Jim/Electric Imp/built-for-imp16.bmp | //kentro/work/Eagle/Projects/SandBox/Jim/Electric Imp/built-for-imp16.bmp